# KiCad board SevenSegment.kicad_pcb (continued)
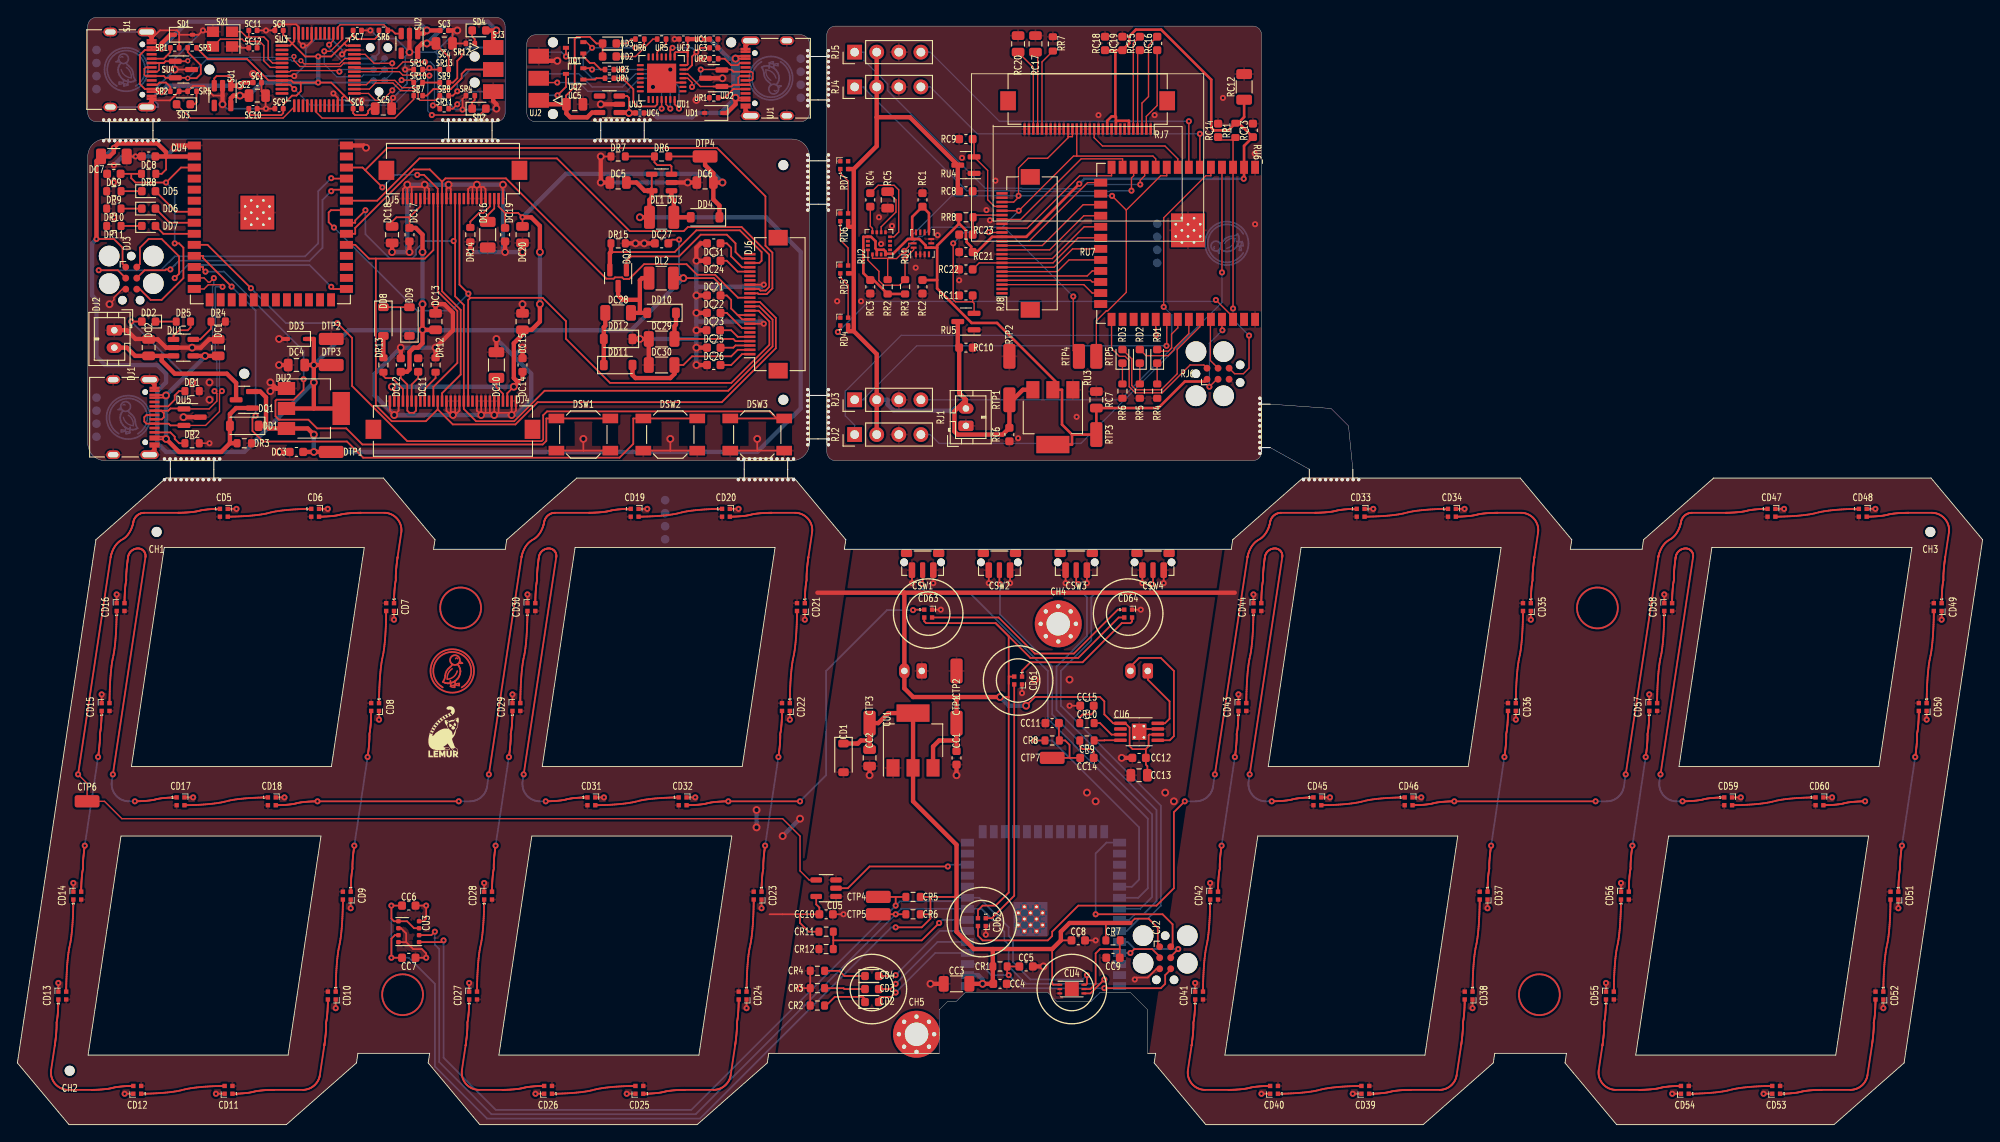
[diagram p0: board, top side]
## Placement (name value [footprint] x y rotation side) (continued)
RJ4  PinHeader2.54 1x4 (Generic)  [PinHeader_1x04_P2.54mm_Vertical]  96.3 119.4 90 top
RJ5  PinHeader2.54 1x4 (Generic)  [PinHeader_1x04_P2.54mm_Vertical]  96.3 123.4 90 top
RJ6  -  [Tag-Connect_TC2030-IDC-FP_2x03_P1.27mm_Vertical]  138.09 86.4 0 top
RJ7  FH12-30S-0.5SH (Hirose)  [Hirose_FH12-30S-0.5SH_1x30-1MP_P0.50mm_Horizontal]  123.09 116.4 180 top
RJ8  FH12-24S-0.5SH (Hirose)  [Hirose_FH12-24S-0.5SH_1x24-1MP_P0.50mm_Horizontal]  115.09 101.4 90 top
RR1  10k, 1%, 0.1 W  [R_0603_1608Metric]  140.09 114.4 270 top
RR2  4.7k, 1%, 0.1 W  [R_0603_1608Metric]  100.09 96.4 90 top
RR3  4.7k, 1%, 0.1 W  [R_0603_1608Metric]  102.09 96.4 90 top
RR4  1k, 1%, 0.1 W  [R_0603_1608Metric]  131.09 84.4 270 top
RR5  1k, 1%, 0.1 W  [R_0603_1608Metric]  129.09 84.4 270 top
RR6  1k, 1%, 0.1 W  [R_0603_1608Metric]  127.09 84.4 270 top
RR7  390k, 1%, 0.1 W  [R_0603_1608Metric]  119.09 124.35 90 top
RR8  10k, 1%, 0.1 W  [R_0603_1608Metric]  109.09 104.4 0 top
RTP1  5015 (Keystone) - vbatt  [TestPoint_TE_RCT_0805]  114.09 83.4 90 top
RTP2  5015 (Keystone) - gnd  [TestPoint_TE_RCT_0805]  114.09 88.4 90 top
RTP3  5015 (Keystone) - v3v3  [TestPoint_TE_RCT_0805]  124.09 79.4 90 top
RTP4  5015 (Keystone) - i2c_chain_0.scl  [TestPoint_TE_RCT_0805]  122.09 88.4 90 top
RTP5  5015 (Keystone) - i2c_tp._io_sda_link  [TestPoint_TE_RCT_0805]  124.09 88.4 90 top
RU1  LSM6DS3TR-C (STMicroelectronics)  [Bosch_LGA-14_3x2.5mm_P0.5mm]  104.09 101.4 90 top
RU2  QMC5883L (QST)  [LGA-16_3x3mm_P0.5mm]  99.09 101.4 90 top
RU3  LDL1117S33R (STMicroelectronics)  [SOT-223-3_TabPin2]  119.09 81.4 270 top
RU4  XC6206P252MR (Torex Semiconductor Ltd)  [SOT-23]  109.09 110.4 180 top
RU5  XC6206P122MR-G (Torex Semiconductor Ltd)  [SOT-23]  109.09 92.4 180 top
RU6  ESP32-S3-WROOM-1-N16R8 (Espressif Systems)  [ESP32-S3-WROOM-1]  137.09 101.4 270 top
RU7  ER-OLED-0.96-1.1 (EastRising)  [Lcd_Er_Oled0.96_1.1_Outline]  123.09 109.4 180 top
SC1  -  [C_0402_1005Metric]  27.59 119.9 0 top
SC2  -  [C_0805_2012Metric]  27.59 118.4 0 top
SC3  -  [C_0402_1005Metric]  49.09 125.9 0 top
SC4  -  [C_0805_2012Metric]  49.09 124.4 0 top
SC5  -  [C_0805_2012Metric]  42.09 116.9 0 top
SC6  -  [C_0402_1005Metric]  39.09 116.9 0 top
SC7  -  [C_0402_1005Metric]  39.09 125.9 0 top
SC8  -  [C_0402_1005Metric]  30.09 125.9 180 top
SC9  -  [C_0402_1005Metric]  30.09 116.9 180 top
SC10  -  [C_0402_1005Metric]  27.09 116.9 0 top
SC11  -  [C_0402_1005Metric]  27.09 125.9 0 top
SC12  -  [C_0402_1005Metric]  27.09 123.9 180 top
SD1  BZT52-B5V6S_R1_00001 (PANJIT International) - 100nA@1V 40? Single 5.49V~5.71V 200mW 5.6V SOD-323 Zener Diodes ROHS  [D_SOD-323]  19.09 125.4 0 top
SD2  -  [LED_0603_1608Metric]  53.09 116.9 0 top
SD3  C2290 (Hubei KENTO Elec) - White 0603 Light Emitting Diodes (LED) RoHS  [LED_0603_1608Metric]  19.09 117.4 180 top
SD4  -  [LED_0603_1608Metric]  53.09 125.9 0 top
SH1  -  [JlcToolingHole_1.152mm]  52.59 122.9 0 top
SH2  -  [JlcToolingHole_1.152mm]  22.09 121.4 0 top
SH3  -  [JlcToolingHole_1.152mm]  52.59 119.9 0 top
SJ1  COM-15111 (Sparkfun)  [USB_C_Receptacle_XKB_U262-16XN-4BVC11]  11.77 121.4 270 top
SJ2  -  [Tag-Connect_TC2030-IDC-NL_2x03_P1.27mm_Vertical]  41.59 121.4 90 bottom
SJ3  PinHeader2.54 Shrouded 2x3 (Generic)  [PinHeader_2x03_P2.54mm_EdgeInline]  56.09 121.4 0 top
SR1  -  [R_0402_1005Metric]  18.09 123.9 180 top
SR2  -  [R_0402_1005Metric]  18.09 118.9 180 top
SR3  -  [R_0402_1005Metric]  20.09 123.9 180 top
SR4  -  [R_0402_1005Metric]  52.09 118.4 180 top
SR5  -  [R_0402_1005Metric]  20.09 118.9 180 top
SR6  -  [R_0402_1005Metric]  42.09 125.9 0 top
SR7  -  [R_0402_1005Metric]  46.09 118.4 0 top
SR8  -  [R_0402_1005Metric]  49.09 118.4 0 top
SR9  -  [R_0402_1005Metric]  49.09 119.9 0 top
SR10  -  [R_0402_1005Metric]  46.09 119.9 0 top
SR11  -  [R_0402_1005Metric]  49.09 116.9 0 top
SR12  -  [R_0402_1005Metric]  52.09 124.4 180 top
SR13  -  [R_0402_1005Metric]  49.09 121.4 180 top
SR14  -  [R_0402_1005Metric]  46.09 121.4 180 top
SU1  AP2204K-3.3 (Diodes Incorporated)  [SOT-23-5]  23.59 118.4 270 top
SU2  AP2204K-3.3 (Diodes Incorporated)  [SOT-23-5]  45.09 124.4 270 top
SU3  STM32F103xxT6 (STMicroelectronics)  [LQFP-48_7x7mm_P0.5mm]  34.59 121.4 0 top
SU4  PESD5V0X1BT (Nexperia)  [SOT-23]  19.09 121.4 0 top
SX1  -  [Crystal_SMD_3225-4Pin_3.2x2.5mm]  23.59 124.9 180 top
UC1  -  [C_0402_1005Metric]  80.09 124.9 0 top
UC2  -  [C_0402_1005Metric]  76.59 124.9 180 top
UC3  -  [C_0402_1005Metric]  80.09 123.9 0 top
UC4  -  [C_0402_1005Metric]  71.59 116.4 0 top
UC5  -  [C_0805_2012Metric]  64.09 117.4 0 top
UD1  BZT52-B5V6S_R1_00001 (PANJIT International) - 100nA@1V 40? Single 5.49V~5.71V 200mW 5.6V SOD-323 Zener Diodes ROHS  [D_SOD-323]  80.09 116.4 180 top
UD2  C2290 (Hubei KENTO Elec) - White 0603 Light Emitting Diodes (LED) RoHS  [LED_0603_1608Metric]  68.09 122.9 180 top
UD3  KT-0603R (Hubei KENTO Elec) - Red 615~630nm 1.9~2.2V 0603 Light Emitting Diodes (LED) RoHS  [LED_0603_1608Metric]  68.09 124.4 180 top
UH1  -  [JlcToolingHole_1.152mm]  61.59 116.28 180 top
UH2  -  [JlcToolingHole_1.152mm]  82.09 124.53 180 top
UH3  -  [JlcToolingHole_1.152mm]  61.59 124.53 180 top
UJ1  COM-15111 (Sparkfun)  [USB_C_Receptacle_XKB_U262-16XN-4BVC11]  87.42 120.4 90 top
UJ2  PinHeader2.54 Shrouded 2x3 (Generic)  [PinHeader_2x03_P2.54mm_EdgeInline]  58.59 120.4 180 top
UQ1  BC847AW 1E (CBI) - 45V 200mW 100mA 110@2mA,5V 100MHz 600mV@100mA,5mA NPN +150?@(Tj) SOT-323 Bipolar Transistors - BJT ROHS  [SOT-323_SC-70]  64.09 123.9 180 top
UQ2  BC847AW 1E (CBI) - 45V 200mW 100mA 110@2mA,5V 100MHz 600mV@100mA,5mA NPN +150?@(Tj) SOT-323 Bipolar Transistors - BJT ROHS  [SOT-323_SC-70]  64.09 120.9 180 top
UR1  -  [R_0402_1005Metric]  80.09 118.15 0 top
UR2  -  [R_0402_1005Metric]  80.09 122.65 0 top
UR3  -  [R_0402_1005Metric]  68.09 121.4 180 top
UR4  -  [R_0402_1005Metric]  68.09 120.4 180 top
UR5  -  [R_0402_1005Metric]  74.09 124.9 0 top
UR6  -  [R_0402_1005Metric]  71.59 124.9 0 top
UU1  CP2102 (Silicon Labs)  [QFN-28-1EP_5x5mm_P0.5mm_EP3.35x3.35mm]  74.09 120.4 180 top
UU2  PESD5V0X1BT (Nexperia)  [SOT-23]  80.09 120.4 180 top
UU3  AP2204K-3.3 (Diodes Incorporated)  [SOT-23-5]  68.09 117.4 180 top
UU4  Duck  [Symbol_Duckling]  50.02 52.2 0 top
UU4#2  Duck  [Symbol_Duckling]  12.76 81.38 180 bottom
UU4#3  Duck  [Symbol_Duckling]  139.09 101.4 270 bottom
UU4#4  Duck  [Symbol_Duckling]  86.67 120.4 0 bottom
UU4#5  Duck  [Symbol_Duckling]  12.52 121.4 180 bottom
UU5  Lemur  [Symbol_LemurSmall]  49.02 45.2 0 top
UU5#2  Lemur  [Symbol_LemurSmall]  139.09 106.4 270 bottom
UU5#3  Lemur  [Symbol_LemurSmall]  18.09 81.4 180 bottom
UU5#4  Lemur  [Symbol_LemurSmall]  81.09 120.4 0 bottom
UU5#5  Lemur  [Symbol_LemurSmall]  18.09 121.4 180 bottom
UU6  IdDots4  [Indicator_IdDots_4]  74.5 69.6 90 bottom
UU6#2  IdDots4  [Indicator_IdDots_4]  9.09 121.4 90 bottom
UU6#3  IdDots4  [Indicator_IdDots_4]  131.09 101.4 270 bottom
UU6#4  IdDots4  [Indicator_IdDots_4]  9.09 81.4 90 bottom
UU6#5  IdDots4  [Indicator_IdDots_4]  90.09 120.4 270 bottom

## Library data of the parts
CC1 = -: edg_part: CC0603KRX7R9BB104 (YAGEO); edg_path: reg_3v3.in_cap.cap; edg_refdes: CC1; edg_short_path: reg_3v3.in_cap
CC2 = -: edg_part: CL21A475KAQNNNE (Samsung Electro-Mechanics); edg_path: reg_3v3.out_cap.cap; edg_refdes: CC2; edg_short_path: reg_3v3.out_cap
CC3 = -: edg_part: CL31A226KPHNNNE (Samsung Electro-Mechanics); edg_path: mcu.vcc_cap0.cap; edg_refdes: CC3; edg_short_path: mcu.vcc_cap0
CC4 = -: edg_part: CC0603KRX7R9BB104 (YAGEO); edg_path: mcu.vcc_cap1.cap; edg_refdes: CC4; edg_short_path: mcu.vcc_cap1
CC5 = -: edg_part: CL10A105KB8NNNC (Samsung Electro-Mechanics); edg_path: mcu.en_pull.rc.c; edg_refdes: CC5; edg_short_path: mcu.en_pull.c
CC6 = -: edg_part: CC0603KRX7R9BB104 (YAGEO); edg_path: env.vdd_cap.cap; edg_refdes: CC6; edg_short_path: env.vdd_cap
CC7 = -: edg_part: CC0603KRX7R9BB104 (YAGEO); edg_path: env.vddio_cap.cap; edg_refdes: CC7; edg_short_path: env.vddio_cap
CC8 = -: edg_part: CC0603KRX7R9BB104 (YAGEO); edg_path: als.vcc_cap.cap; edg_refdes: CC8; edg_short_path: als.vcc_cap
CC9 = -: edg_part: CL10A105KB8NNNC (Samsung Electro-Mechanics); edg_path: als.dvi_cap; edg_refdes: CC9; edg_short_path: als.dvi_cap
CC10 = -: edg_part: CC0603KRX7R9BB104 (YAGEO); edg_path: rgb_shift.vdd_cap.cap; edg_refdes: CC10; edg_short_path: rgb_shift.vdd_cap
CC11 = -: edg_part: CL10B473KB8NNNC (Samsung Electro-Mechanics); edg_path: spk_dac.rc.c; edg_refdes: CC11; edg_short_path: spk_dac.c
CC12 = -: edg_part: CC0603KRX7R9BB104 (YAGEO); edg_path: spk_drv.pwr_cap.cap; edg_refdes: CC12; edg_short_path: spk_drv.pwr_cap
CC13 = -: edg_part: CL21A475KAQNNNE (Samsung Electro-Mechanics); edg_path: spk_drv.bulk_cap.cap; edg_refdes: CC13; edg_short_path: spk_drv.bulk_cap
CC14 = -: edg_part: CL10A105KB8NNNC (Samsung Electro-Mechanics); edg_path: spk_drv.inp_cap; edg_refdes: CC14; edg_short_path: spk_drv.inp_cap
CC15 = -: edg_part: CL10A105KB8NNNC (Samsung Electro-Mechanics); edg_path: spk_drv.inn_cap; edg_refdes: CC15; edg_short_path: spk_drv.inn_cap
CD1 = -: edg_part: BZT52C3V6 (SMC(Sangdest Microelectronicstronic (Nanjing))); edg_path: prot_3v3.diode; edg_refdes: CD1; edg_short_path: prot_3v3
CD2 = -: edg_part: KT-0603R (Hubei KENTO Elec); edg_path: ledr.package; edg_refdes: CD2; edg_short_path: ledr.package
CD3 = -: edg_part: 19-217/GHC-YR1S2/3T (Everlight Elec); edg_path: ledg.package; edg_refdes: CD3; edg_short_path: ledg.package
CD4 = -: edg_part: 19-217/BHC-ZL1M2RY/3T (Everlight Elec); edg_path: ledb.package; edg_refdes: CD4; edg_short_path: ledb.package
CD5 = -: edg_path: digit[0].led[0]; edg_refdes: CD5; edg_short_path: digit[0].led[0]
CD6 = -: edg_path: digit[0].led[1]; edg_refdes: CD6; edg_short_path: digit[0].led[1]
CD7 = -: edg_path: digit[0].led[2]; edg_refdes: CD7; edg_short_path: digit[0].led[2]
CD8 = -: edg_path: digit[0].led[3]; edg_refdes: CD8; edg_short_path: digit[0].led[3]
CD9 = -: edg_path: digit[0].led[4]; edg_refdes: CD9; edg_short_path: digit[0].led[4]
CD10 = -: edg_path: digit[0].led[5]; edg_refdes: CD10; edg_short_path: digit[0].led[5]
CD11 = -: edg_path: digit[0].led[6]; edg_refdes: CD11; edg_short_path: digit[0].led[6]
CD12 = -: edg_path: digit[0].led[7]; edg_refdes: CD12; edg_short_path: digit[0].led[7]
CD13 = -: edg_path: digit[0].led[8]; edg_refdes: CD13; edg_short_path: digit[0].led[8]
CD14 = -: edg_path: digit[0].led[9]; edg_refdes: CD14; edg_short_path: digit[0].led[9]
CD15 = -: edg_path: digit[0].led[10]; edg_refdes: CD15; edg_short_path: digit[0].led[10]
CD16 = -: edg_path: digit[0].led[11]; edg_refdes: CD16; edg_short_path: digit[0].led[11]
CD17 = -: edg_path: digit[0].led[12]; edg_refdes: CD17; edg_short_path: digit[0].led[12]
CD18 = -: edg_path: digit[0].led[13]; edg_refdes: CD18; edg_short_path: digit[0].led[13]
CD19 = -: edg_path: digit[1].led[0]; edg_refdes: CD19; edg_short_path: digit[1].led[0]
CD20 = -: edg_path: digit[1].led[1]; edg_refdes: CD20; edg_short_path: digit[1].led[1]
CD21 = -: edg_path: digit[1].led[2]; edg_refdes: CD21; edg_short_path: digit[1].led[2]
CD22 = -: edg_path: digit[1].led[3]; edg_refdes: CD22; edg_short_path: digit[1].led[3]
CD23 = -: edg_path: digit[1].led[4]; edg_refdes: CD23; edg_short_path: digit[1].led[4]
CD24 = -: edg_path: digit[1].led[5]; edg_refdes: CD24; edg_short_path: digit[1].led[5]
CD25 = -: edg_path: digit[1].led[6]; edg_refdes: CD25; edg_short_path: digit[1].led[6]
CD26 = -: edg_path: digit[1].led[7]; edg_refdes: CD26; edg_short_path: digit[1].led[7]
CD27 = -: edg_path: digit[1].led[8]; edg_refdes: CD27; edg_short_path: digit[1].led[8]
CD28 = -: edg_path: digit[1].led[9]; edg_refdes: CD28; edg_short_path: digit[1].led[9]
CD29 = -: edg_path: digit[1].led[10]; edg_refdes: CD29; edg_short_path: digit[1].led[10]
CD30 = -: edg_path: digit[1].led[11]; edg_refdes: CD30; edg_short_path: digit[1].led[11]
CD31 = -: edg_path: digit[1].led[12]; edg_refdes: CD31; edg_short_path: digit[1].led[12]
CD32 = -: edg_path: digit[1].led[13]; edg_refdes: CD32; edg_short_path: digit[1].led[13]
CD33 = -: edg_path: digit[2].led[0]; edg_refdes: CD33; edg_short_path: digit[2].led[0]
CD34 = -: edg_path: digit[2].led[1]; edg_refdes: CD34; edg_short_path: digit[2].led[1]
CD35 = -: edg_path: digit[2].led[2]; edg_refdes: CD35; edg_short_path: digit[2].led[2]
CD36 = -: edg_path: digit[2].led[3]; edg_refdes: CD36; edg_short_path: digit[2].led[3]
CD37 = -: edg_path: digit[2].led[4]; edg_refdes: CD37; edg_short_path: digit[2].led[4]
CD38 = -: edg_path: digit[2].led[5]; edg_refdes: CD38; edg_short_path: digit[2].led[5]
CD39 = -: edg_path: digit[2].led[6]; edg_refdes: CD39; edg_short_path: digit[2].led[6]
CD40 = -: edg_path: digit[2].led[7]; edg_refdes: CD40; edg_short_path: digit[2].led[7]
CD41 = -: edg_path: digit[2].led[8]; edg_refdes: CD41; edg_short_path: digit[2].led[8]
CD42 = -: edg_path: digit[2].led[9]; edg_refdes: CD42; edg_short_path: digit[2].led[9]
CD43 = -: edg_path: digit[2].led[10]; edg_refdes: CD43; edg_short_path: digit[2].led[10]
CD44 = -: edg_path: digit[2].led[11]; edg_refdes: CD44; edg_short_path: digit[2].led[11]
CD45 = -: edg_path: digit[2].led[12]; edg_refdes: CD45; edg_short_path: digit[2].led[12]
CD46 = -: edg_path: digit[2].led[13]; edg_refdes: CD46; edg_short_path: digit[2].led[13]
CD47 = -: edg_path: digit[3].led[0]; edg_refdes: CD47; edg_short_path: digit[3].led[0]
CD48 = -: edg_path: digit[3].led[1]; edg_refdes: CD48; edg_short_path: digit[3].led[1]
CD49 = -: edg_path: digit[3].led[2]; edg_refdes: CD49; edg_short_path: digit[3].led[2]
CD50 = -: edg_path: digit[3].led[3]; edg_refdes: CD50; edg_short_path: digit[3].led[3]
CD51 = -: edg_path: digit[3].led[4]; edg_refdes: CD51; edg_short_path: digit[3].led[4]
CD52 = -: edg_path: digit[3].led[5]; edg_refdes: CD52; edg_short_path: digit[3].led[5]
CD53 = -: edg_path: digit[3].led[6]; edg_refdes: CD53; edg_short_path: digit[3].led[6]
CD54 = -: edg_path: digit[3].led[7]; edg_refdes: CD54; edg_short_path: digit[3].led[7]
CD55 = -: edg_path: digit[3].led[8]; edg_refdes: CD55; edg_short_path: digit[3].led[8]
CD56 = -: edg_path: digit[3].led[9]; edg_refdes: CD56; edg_short_path: digit[3].led[9]
CD57 = -: edg_path: digit[3].led[10]; edg_refdes: CD57; edg_short_path: digit[3].led[10]
CD58 = -: edg_path: digit[3].led[11]; edg_refdes: CD58; edg_short_path: digit[3].led[11]
CD59 = -: edg_path: digit[3].led[12]; edg_refdes: CD59; edg_short_path: digit[3].led[12]
CD60 = -: edg_path: digit[3].led[13]; edg_refdes: CD60; edg_short_path: digit[3].led[13]
CD61 = -: edg_path: center.led[0]; edg_refdes: CD61; edg_short_path: center.led[0]
CD62 = -: edg_path: center.led[1]; edg_refdes: CD62; edg_short_path: center.led[1]
CD63 = -: edg_path: meta.led[0]; edg_refdes: CD63; edg_short_path: meta.led[0]
CD64 = -: edg_path: meta.led[1]; edg_refdes: CD64; edg_short_path: meta.led[1]
CH1 = -: edg_path: jlc_th.th1; edg_refdes: CH1; edg_short_path: jlc_th.th1
CH2 = -: edg_path: jlc_th.th2; edg_refdes: CH2; edg_short_path: jlc_th.th2
CH3 = -: edg_path: jlc_th.th3; edg_refdes: CH3; edg_short_path: jlc_th.th3
CH4 = -: edg_path: mount[0]; edg_refdes: CH4; edg_short_path: mount[0]
CH5 = -: edg_path: mount[1]; edg_refdes: CH5; edg_short_path: mount[1]
CJ1 = -: edg_path: pwr_conn.conn; edg_refdes: CJ1; edg_short_path: pwr_conn
CJ2 = -: edg_path: mcu.prog.conn; edg_refdes: CJ2; edg_short_path: mcu.prog
CJ3 = -: edg_path: spk.conn; edg_refdes: CJ3; edg_short_path: spk
CR1 = -: edg_part: 0603WAF1002T5E (UNI-ROYAL(Uniroyal Elec)); edg_path: mcu.en_pull.rc.r; edg_refdes: CR1; edg_short_path: mcu.en_pull.r
CR2 = -: edg_part: 0603WAF1001T5E (UNI-ROYAL(Uniroyal Elec)); edg_path: ledr.res; edg_refdes: CR2; edg_short_path: ledr.res
CR3 = -: edg_part: 0603WAF1001T5E (UNI-ROYAL(Uniroyal Elec)); edg_path: ledg.res; edg_refdes: CR3; edg_short_path: ledg.res
CR4 = -: edg_part: 0603WAF1001T5E (UNI-ROYAL(Uniroyal Elec)); edg_path: ledb.res; edg_refdes: CR4; edg_short_path: ledb.res
CR5 = -: edg_part: 0603WAF4701T5E (UNI-ROYAL(Uniroyal Elec)); edg_path: i2c_pull.scl_res.res; edg_refdes: CR5; edg_short_path: i2c_pull.scl_res
CR6 = -: edg_part: 0603WAF4701T5E (UNI-ROYAL(Uniroyal Elec)); edg_path: i2c_pull.sda_res.res; edg_refdes: CR6; edg_short_path: i2c_pull.sda_res
CR7 = -: edg_part: 0603WAF1001T5E (UNI-ROYAL(Uniroyal Elec)); edg_path: als.dvi_res; edg_refdes: CR7; edg_short_path: als.dvi_res
CR8 = -: edg_part: 0603WAF1001T5E (UNI-ROYAL(Uniroyal Elec)); edg_path: spk_dac.rc.r; edg_refdes: CR8; edg_short_path: spk_dac.r
CR9 = -: edg_part: 0603WAF3002T5E (UNI-ROYAL(Uniroyal Elec)); edg_path: spk_drv.inp_res; edg_refdes: CR9; edg_short_path: spk_drv.inp_res
CR10 = -: edg_part: 0603WAF3002T5E (UNI-ROYAL(Uniroyal Elec)); edg_path: spk_drv.inn_res; edg_refdes: CR10; edg_short_path: spk_drv.inn_res
CR11 = -: edg_part: 0603WAF1002T5E (UNI-ROYAL(Uniroyal Elec)); edg_path: v5v_sense.div.top_res; edg_refdes: CR11; edg_short_path: v5v_sense.top_res
CR12 = -: edg_part: 0603WAF1002T5E (UNI-ROYAL(Uniroyal Elec)); edg_path: v5v_sense.div.bottom_res; edg_refdes: CR12; edg_short_path: v5v_sense.bottom_res
CSW1 = -: edg_path: sw[0].package; edg_refdes: CSW1; edg_short_path: sw[0]
CSW2 = -: edg_path: sw[1].package; edg_refdes: CSW2; edg_short_path: sw[1]
CSW3 = -: edg_path: sw[2].package; edg_refdes: CSW3; edg_short_path: sw[2]
CSW4 = -: edg_path: sw[3].package; edg_refdes: CSW4; edg_short_path: sw[3]
CTP1 = -: edg_part: 5015 (Keystone); edg_path: tp_pwr.tp; edg_refdes: CTP1; edg_short_path: tp_pwr
CTP2 = -: edg_part: 5015 (Keystone); edg_path: tp_gnd.tp; edg_refdes: CTP2; edg_short_path: tp_gnd
CTP3 = -: edg_part: 5015 (Keystone); edg_path: tp_3v3.tp; edg_refdes: CTP3; edg_short_path: tp_3v3
CTP4 = -: edg_part: 5015 (Keystone); edg_path: i2c_tp.tp_scl.tp; edg_refdes: CTP4; edg_short_path: i2c_tp.tp_scl
CTP5 = -: edg_part: 5015 (Keystone); edg_path: i2c_tp.tp_sda.tp; edg_refdes: CTP5; edg_short_path: i2c_tp.tp_sda
CTP6 = -: edg_part: 5015 (Keystone); edg_path: rgb_tp.tp; edg_refdes: CTP6; edg_short_path: rgb_tp
CTP7 = -: edg_part: 5015 (Keystone); edg_path: spk_tp.tp; edg_refdes: CTP7; edg_short_path: spk_tp
CU1 = -: edg_path: reg_3v3.ic; edg_refdes: CU1; edg_short_path: reg_3v3.ic
CU2 = -: edg_path: mcu.ic; edg_refdes: CU2; edg_short_path: mcu.ic
CU3 = -: edg_path: env.ic; edg_refdes: CU3; edg_short_path: env.ic
CU4 = -: edg_path: als.ic; edg_refdes: CU4; edg_short_path: als.ic
CU5 = -: edg_path: rgb_shift.ic; edg_refdes: CU5; edg_short_path: rgb_shift.ic
CU6 = -: edg_path: spk_drv.ic; edg_refdes: CU6; edg_short_path: spk_drv.ic
DC1 = -: edg_part: CL21A475KAQNNNE (Samsung Electro-Mechanics); edg_path: charger.vdd_cap.cap; edg_refdes: DC1; edg_short_path: charger.vdd_cap
DC2 = -: edg_part: CL21A475KAQNNNE (Samsung Electro-Mechanics); edg_path: charger.vbat_cap.cap; edg_refdes: DC2; edg_short_path: charger.vbat_cap
DC3 = -: edg_part: CC0603KRX7R9BB104 (YAGEO); edg_path: reg_3v3.in_cap.cap; edg_refdes: DC3; edg_short_path: reg_3v3.in_cap
DC4 = -: edg_part: CL21A475KAQNNNE (Samsung Electro-Mechanics); edg_path: reg_3v3.out_cap.cap; edg_refdes: DC4; edg_short_path: reg_3v3.out_cap
DC5 = -: edg_part: CL21A475KAQNNNE (Samsung Electro-Mechanics); edg_path: reg_12v.power_path.in_cap.cap; edg_refdes: DC5; edg_short_path: reg_12v.power_path.in_cap
DC6 = -: edg_part: GRM21BR61H106KE43L (Murata Electronics); edg_path: reg_12v.power_path.out_cap.cap; edg_refdes: DC6; edg_short_path: reg_12v.power_path.out_cap
DC7 = -: edg_part: CL31A226KPHNNNE (Samsung Electro-Mechanics); edg_path: mcu.vcc_cap0.cap; edg_refdes: DC7; edg_short_path: mcu.vcc_cap0
DC8 = -: edg_part: CC0603KRX7R9BB104 (YAGEO); edg_path: mcu.vcc_cap1.cap; edg_refdes: DC8; edg_short_path: mcu.vcc_cap1
DC9 = -: edg_part: CL10A105KB8NNNC (Samsung Electro-Mechanics); edg_path: mcu.en_pull.rc.c; edg_refdes: DC9; edg_short_path: mcu.en_pull.c
DC10 = -: edg_part: 1206B475K500NT (FH(Guangdong Fenghua Advanced Tech)); edg_path: oled28.vcomh_cap.cap; edg_refdes: DC10; edg_short_path: oled28.vcomh_cap
DC11 = -: edg_part: CC0603KRX7R9BB104 (YAGEO); edg_path: oled28.vdd_cap.cap; edg_refdes: DC11; edg_short_path: oled28.vdd_cap
DC12 = -: edg_part: CC0603KRX7R9BB104 (YAGEO); edg_path: oled28.vci_cap1.cap; edg_refdes: DC12; edg_short_path: oled28.vci_cap1
DC13 = -: edg_part: CL21A475KAQNNNE (Samsung Electro-Mechanics); edg_path: oled28.vci_cap2.cap; edg_refdes: DC13; edg_short_path: oled28.vci_cap2
DC14 = -: edg_part: CC0603KRX7R9BB104 (YAGEO); edg_path: oled28.vcc_cap1.cap; edg_refdes: DC14; edg_short_path: oled28.vcc_cap1
DC15 = -: edg_part: GRM21BR61H106KE43L (Murata Electronics); edg_path: oled28.vcc_cap2.cap; edg_refdes: DC15; edg_short_path: oled28.vcc_cap2
DC16 = -: edg_part: 1206B475K500NT (FH(Guangdong Fenghua Advanced Tech)); edg_path: oled22.vcomh_cap.cap; edg_refdes: DC16; edg_short_path: oled22.vcomh_cap
DC17 = -: edg_part: CC0603KRX7R9BB104 (YAGEO); edg_path: oled22.vdd_cap1.cap; edg_refdes: DC17; edg_short_path: oled22.vdd_cap1
DC18 = -: edg_part: CL21A475KAQNNNE (Samsung Electro-Mechanics); edg_path: oled22.vdd_cap2.cap; edg_refdes: DC18; edg_short_path: oled22.vdd_cap2
DC19 = -: edg_part: CC0603KRX7R9BB104 (YAGEO); edg_path: oled22.vcc_cap1.cap; edg_refdes: DC19; edg_short_path: oled22.vcc_cap1
DC20 = -: edg_part: GRM21BR61H106KE43L (Murata Electronics); edg_path: oled22.vcc_cap2.cap; edg_refdes: DC20; edg_short_path: oled22.vcc_cap2
DC21 = -: edg_part: CL10A105KB8NNNC (Samsung Electro-Mechanics); edg_path: epd.vdd_cap.cap; edg_refdes: DC21; edg_short_path: epd.vdd_cap
DC22 = -: edg_part: CL10A105KB8NNNC (Samsung Electro-Mechanics); edg_path: epd.vdd1v8_cap.cap; edg_refdes: DC22; edg_short_path: epd.vdd1v8_cap
DC23 = -: edg_part: CL10A105KB8NNNC (Samsung Electro-Mechanics); edg_path: epd.vsh_cap.cap; edg_refdes: DC23; edg_short_path: epd.vsh_cap
DC24 = -: edg_part: CL10A105KB8NNNC (Samsung Electro-Mechanics); edg_path: epd.vshr_cap.cap; edg_refdes: DC24; edg_short_path: epd.vshr_cap
DC25 = -: edg_part: CL10A105KB8NNNC (Samsung Electro-Mechanics); edg_path: epd.vsl_cap.cap; edg_refdes: DC25; edg_short_path: epd.vsl_cap
DC26 = -: edg_part: CL10A105KB8NNNC (Samsung Electro-Mechanics); edg_path: epd.vcom_cap.cap; edg_refdes: DC26; edg_short_path: epd.vcom_cap
DC27 = -: edg_part: CL10A105KB8NNNC (Samsung Electro-Mechanics); edg_path: epd.boost.in_cap.cap; edg_refdes: DC27; edg_short_path: epd.boost.in_cap
DC28 = -: edg_part: 1206B475K500NT (FH(Guangdong Fenghua Advanced Tech)); edg_path: epd.boost.boot_cap; edg_refdes: DC28; edg_short_path: epd.boost.boot_cap
DC29 = -: edg_part: 1206B475K500NT (FH(Guangdong Fenghua Advanced Tech)); edg_path: epd.boost.out_cap.cap; edg_refdes: DC29; edg_short_path: epd.boost.out_cap
DC30 = -: edg_part: 1206B475K500NT (FH(Guangdong Fenghua Advanced Tech)); edg_path: epd.boost.neg_out_cap.cap; edg_refdes: DC30; edg_short_path: epd.boost.neg_out_cap
DC31 = -: edg_part: CL10A105KB8NNNC (Samsung Electro-Mechanics); edg_path: epd.nc_cap.cap; edg_refdes: DC31; edg_short_path: epd.nc_cap
DD1 = -: edg_part: B5819W SL (Changjiang Electronics Tech (CJ)); edg_path: pwr_or.diode; edg_refdes: DD1; edg_short_path: pwr_or.diode
DD2 = -: edg_part: 19-213/Y2C-CQ2R2L/3T(CY) (Everlight Elec); edg_path: charge_led.package; edg_refdes: DD2; edg_short_path: charge_led.package
DD3 = -: edg_part: BZT52B3V6S (SMC(Sangdest Microelectronicstronic (Nanjing))); edg_path: prot_3v3.diode; edg_refdes: DD3; edg_short_path: prot_3v3
DD4 = -: edg_part: B0520W (Shikues); edg_path: reg_12v.rect; edg_refdes: DD4; edg_short_path: reg_12v.rect
DD5 = -: edg_part: KT-0603R (Hubei KENTO Elec); edg_path: ledr.package; edg_refdes: DD5; edg_short_path: ledr.package
DD6 = -: edg_part: 19-217/GHC-YR1S2/3T (Everlight Elec); edg_path: ledg.package; edg_refdes: DD6; edg_short_path: ledg.package
DD7 = -: edg_part: 19-217/BHC-ZL1M2RY/3T (Everlight Elec); edg_path: ledb.package; edg_refdes: DD7; edg_short_path: ledb.package
DD8 = -: edg_part: B5819W SL (Changjiang Electronics Tech (CJ)); edg_path: oled28.vsl_d1; edg_refdes: DD8; edg_short_path: oled28.vsl_d1
DD9 = -: edg_part: B5819W SL (Changjiang Electronics Tech (CJ)); edg_path: oled28.vsl_d2; edg_refdes: DD9; edg_short_path: oled28.vsl_d2
DD10 = -: edg_part: B5817W (Guangdong Hottech); edg_path: epd.boost.diode; edg_refdes: DD10; edg_short_path: epd.boost.diode
DD11 = -: edg_part: B5817W (Guangdong Hottech); edg_path: epd.boost.boot_neg_diode; edg_refdes: DD11; edg_short_path: epd.boost.boot_neg_diode
DD12 = -: edg_part: B5817W (Guangdong Hottech); edg_path: epd.boost.boot_gnd_diode; edg_refdes: DD12; edg_short_path: epd.boost.boot_gnd_diode
DH1 = -: edg_path: jlc_th.th1; edg_refdes: DH1; edg_short_path: jlc_th.th1
DH2 = -: edg_path: jlc_th.th2; edg_refdes: DH2; edg_short_path: jlc_th.th2
DH3 = -: edg_path: jlc_th.th3; edg_refdes: DH3; edg_short_path: jlc_th.th3
DJ1 = -: edg_path: usb.conn; edg_refdes: DJ1; edg_short_path: usb.conn
DJ2 = -: edg_path: batt.conn; edg_refdes: DJ2; edg_short_path: batt
DJ3 = -: edg_path: mcu.prog.conn; edg_refdes: DJ3; edg_short_path: mcu.prog
DJ4 = -: edg_path: oled28.device.conn.conn; edg_refdes: DJ4; edg_short_path: oled28.device.conn
DJ5 = -: edg_path: oled22.device.conn.conn; edg_refdes: DJ5; edg_short_path: oled22.device.conn
DJ6 = -: edg_path: epd.device.conn.conn; edg_refdes: DJ6; edg_short_path: epd.device.conn
DL1 = -: edg_part: CBC3225T470KR (Taiyo Yuden); edg_path: reg_12v.power_path.inductor; edg_refdes: DL1; edg_short_path: reg_12v.power_path.inductor
DL2 = -: edg_part: BRL3225T470K (Taiyo Yuden); edg_path: epd.boost.inductor; edg_refdes: DL2; edg_short_path: epd.boost.inductor
DQ1 = -: edg_part: AO3401A (Alpha & Omega Semicon); edg_path: pwr_or.fet; edg_refdes: DQ1; edg_short_path: pwr_or.fet
DQ2 = -: edg_part: AO3400A (Alpha & Omega Semicon); edg_path: epd.boost.fet; edg_refdes: DQ2; edg_short_path: epd.boost.fet
DR1 = -: edg_part: 0603WAF5101T5E (UNI-ROYAL(Uniroyal Elec)); edg_path: usb.cc_pull.cc1.res; edg_refdes: DR1; edg_short_path: usb.cc_pull.cc1
DR2 = -: edg_part: 0603WAF5101T5E (UNI-ROYAL(Uniroyal Elec)); edg_path: usb.cc_pull.cc2.res; edg_refdes: DR2; edg_short_path: usb.cc_pull.cc2
DR3 = -: edg_part: 0603WAF1002T5E (UNI-ROYAL(Uniroyal Elec)); edg_path: pwr_or.pdr; edg_refdes: DR3; edg_short_path: pwr_or.pdr
DR4 = -: edg_part: 0603WAF4991T5E (UNI-ROYAL(Uniroyal Elec)); edg_path: charger.prog_res; edg_refdes: DR4; edg_short_path: charger.prog_res
DR5 = -: edg_part: 0603WAF1001T5E (UNI-ROYAL(Uniroyal Elec)); edg_path: charge_led.res; edg_refdes: DR5; edg_short_path: charge_led.res
DR6 = -: edg_part: 0603WAF1003T5E (UNI-ROYAL(Uniroyal Elec)); edg_path: reg_12v.fb.div.top_res; edg_refdes: DR6; edg_short_path: reg_12v.fb.top_res
DR7 = -: edg_part: 0603WAF1002T5E (UNI-ROYAL(Uniroyal Elec)); edg_path: reg_12v.fb.div.bottom_res; edg_refdes: DR7; edg_short_path: reg_12v.fb.bottom_res
DR8 = -: edg_part: 0603WAF1002T5E (UNI-ROYAL(Uniroyal Elec)); edg_path: mcu.en_pull.rc.r; edg_refdes: DR8; edg_short_path: mcu.en_pull.r
DR9 = -: edg_part: 0603WAF1001T5E (UNI-ROYAL(Uniroyal Elec)); edg_path: ledr.res; edg_refdes: DR9; edg_short_path: ledr.res
DR10 = -: edg_part: 0603WAF1001T5E (UNI-ROYAL(Uniroyal Elec)); edg_path: ledg.res; edg_refdes: DR10; edg_short_path: ledg.res
DR11 = -: edg_part: 0603WAF1001T5E (UNI-ROYAL(Uniroyal Elec)); edg_path: ledb.res; edg_refdes: DR11; edg_short_path: ledb.res
DR12 = -: edg_part: 0603WAF6803T5E (UNI-ROYAL(Uniroyal Elec)); edg_path: oled28.iref_res; edg_refdes: DR12; edg_short_path: oled28.iref_res
DR13 = -: edg_part: 0603WAF5102T5E (UNI-ROYAL(Uniroyal Elec)); edg_path: oled28.vsl_res; edg_refdes: DR13; edg_short_path: oled28.vsl_res
DR14 = -: edg_part: 0603WAF7503T5E (UNI-ROYAL(Uniroyal Elec)); edg_path: oled22.iref_res; edg_refdes: DR14; edg_short_path: oled22.iref_res
DR15 = -: edg_part: 0603WAF220KT5E (UNI-ROYAL(Uniroyal Elec)); edg_path: epd.boost.sense; edg_refdes: DR15; edg_short_path: epd.boost.sense
DSW1 = -: edg_path: sw[0].package; edg_refdes: DSW1; edg_short_path: sw[0]
DSW2 = -: edg_path: sw[1].package; edg_refdes: DSW2; edg_short_path: sw[1]
DSW3 = -: edg_path: sw[2].package; edg_refdes: DSW3; edg_short_path: sw[2]
DTP1 = -: edg_part: 5015 (Keystone); edg_path: tp_pwr.tp; edg_refdes: DTP1; edg_short_path: tp_pwr
DTP2 = -: edg_part: 5015 (Keystone); edg_path: tp_gnd.tp; edg_refdes: DTP2; edg_short_path: tp_gnd
DTP3 = -: edg_part: 5015 (Keystone); edg_path: tp_3v3.tp; edg_refdes: DTP3; edg_short_path: tp_3v3
DTP4 = -: edg_part: 5015 (Keystone); edg_path: tp_12v.tp; edg_refdes: DTP4; edg_short_path: tp_12v
DU1 = -: edg_path: charger.ic; edg_refdes: DU1; edg_short_path: charger.ic
DU2 = -: edg_path: reg_3v3.ic; edg_refdes: DU2; edg_short_path: reg_3v3.ic
DU3 = -: edg_path: reg_12v.ic; edg_refdes: DU3; edg_short_path: reg_12v.ic
DU4 = -: edg_path: mcu.ic; edg_refdes: DU4; edg_short_path: mcu.ic
DU5 = -: edg_path: usb_esd; edg_refdes: DU5; edg_short_path: usb_esd
RC1 = -: edg_path: imu.vdd_cap.cap; edg_refdes: RC1; edg_short_path: imu.vdd_cap
RC2 = -: edg_path: imu.vddio_cap.cap; edg_refdes: RC2; edg_short_path: imu.vddio_cap
RC3 = -: edg_path: compass.vdd_cap.cap; edg_refdes: RC3; edg_short_path: compass.vdd_cap
RC4 = -: edg_path: compass.set_cap; edg_refdes: RC4; edg_short_path: compass.set_cap
RC5 = -: edg_path: compass.c1; edg_refdes: RC5; edg_short_path: compass.c1
RC6 = -: edg_path: reg_3v3.in_cap.cap; edg_refdes: RC6; edg_short_path: reg_3v3.in_cap
RC7 = -: edg_path: reg_3v3.out_cap.cap; edg_refdes: RC7; edg_short_path: reg_3v3.out_cap
RC8 = -: edg_path: reg_2v5.in_cap.cap; edg_refdes: RC8; edg_short_path: reg_2v5.in_cap
RC9 = -: edg_path: reg_2v5.out_cap.cap; edg_refdes: RC9; edg_short_path: reg_2v5.out_cap
RC10 = -: edg_path: reg_1v2.in_cap.cap; edg_refdes: RC10; edg_short_path: reg_1v2.in_cap
